# Altium PCB Nestling_2.1.PcbDoc
Units mm, origin at the board's own origin, x right, y up, seen from the top; angles counter-clockwise.
Board outline 45 x 75 mm, 2 copper layers (Top Layer, Bottom Layer); 54 components, 122 nets, 426 pads, 112 vias.
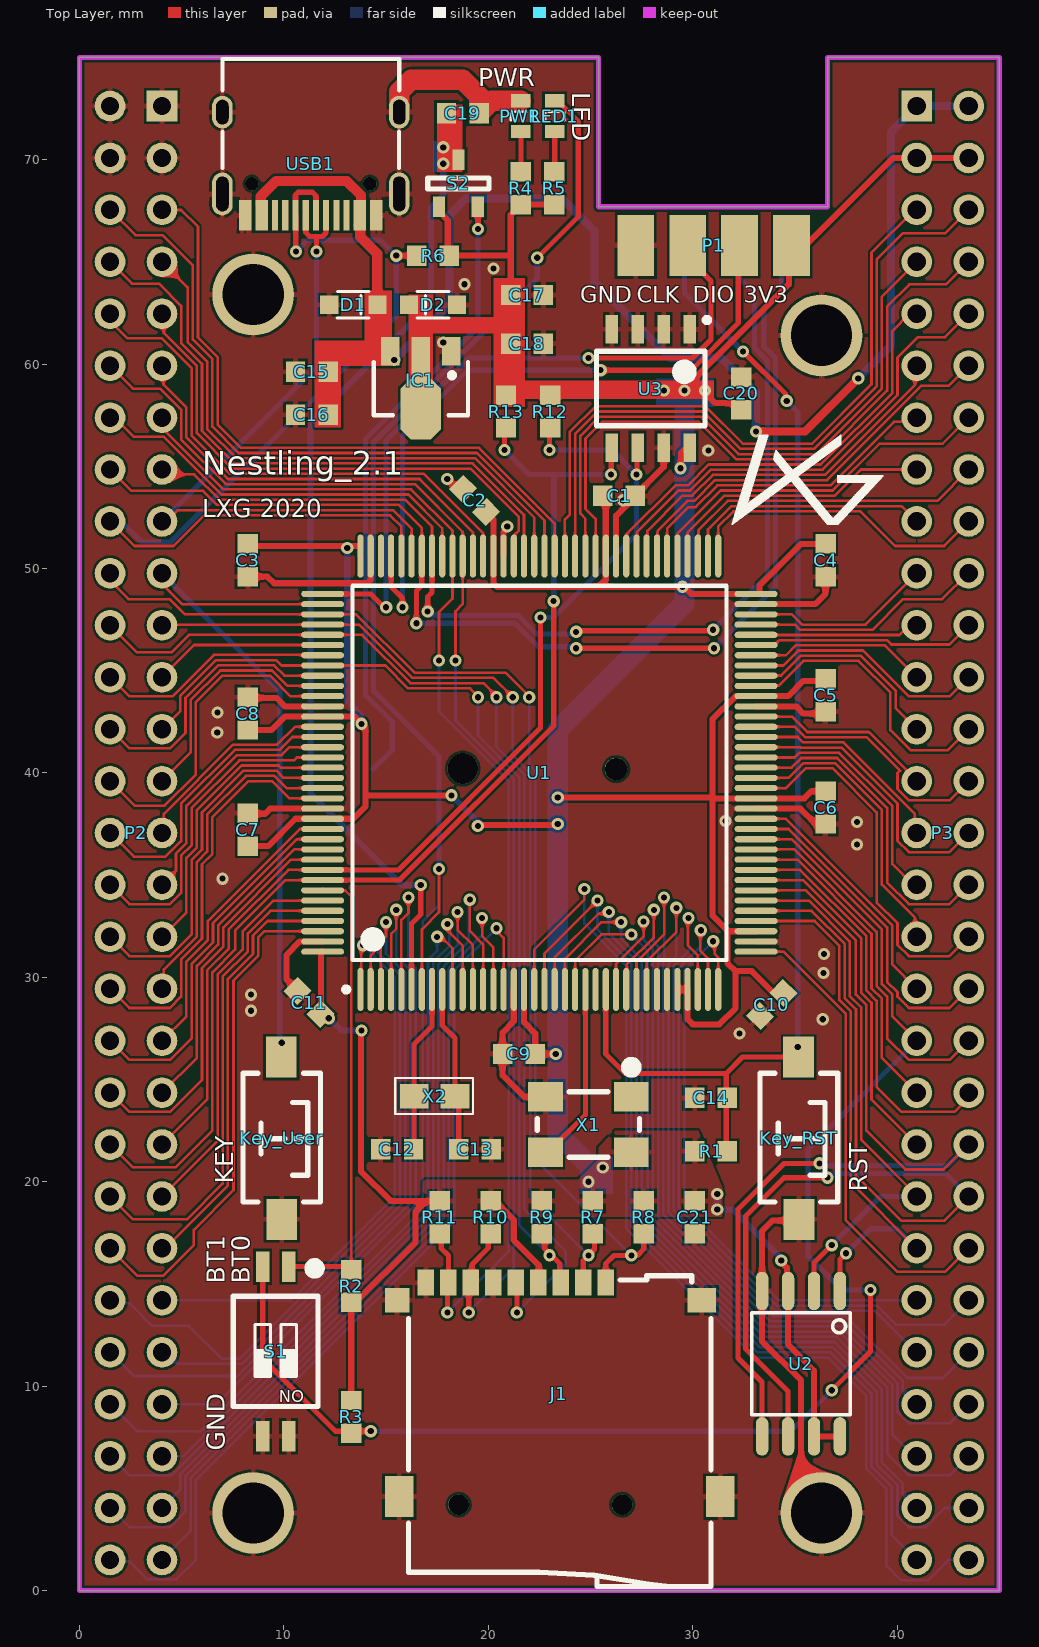
[diagram p0: Top Layer view]
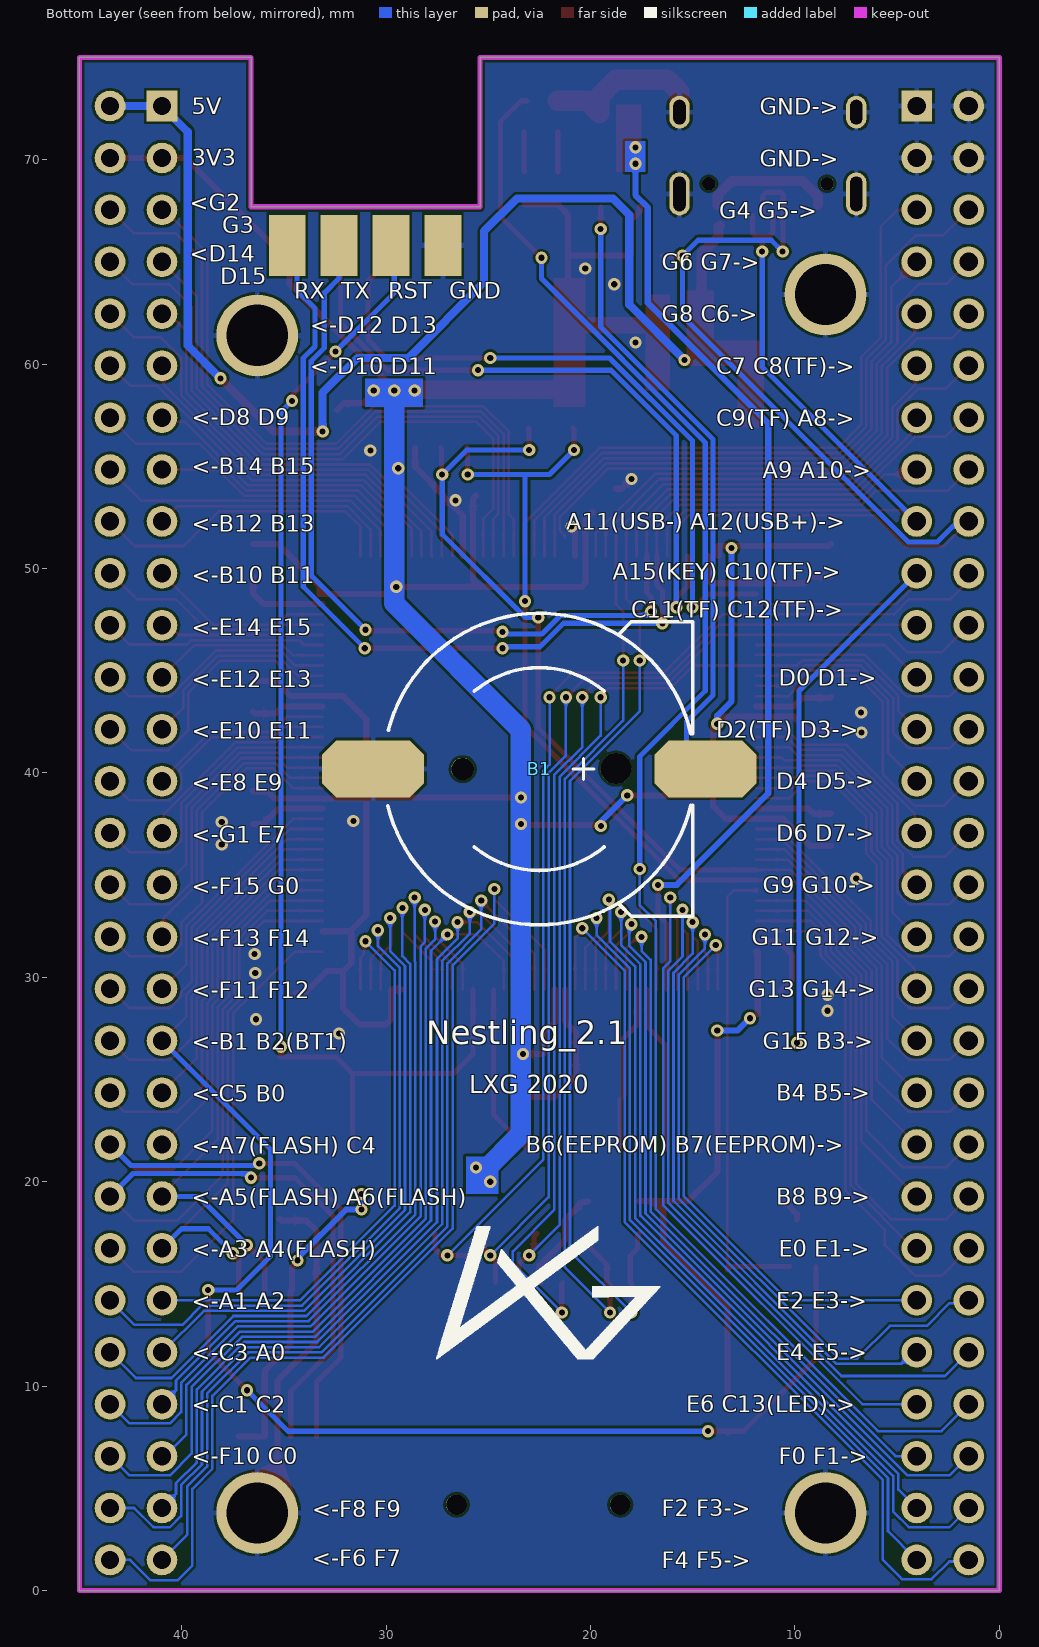
[diagram p1: Bottom Layer view, seen from below]
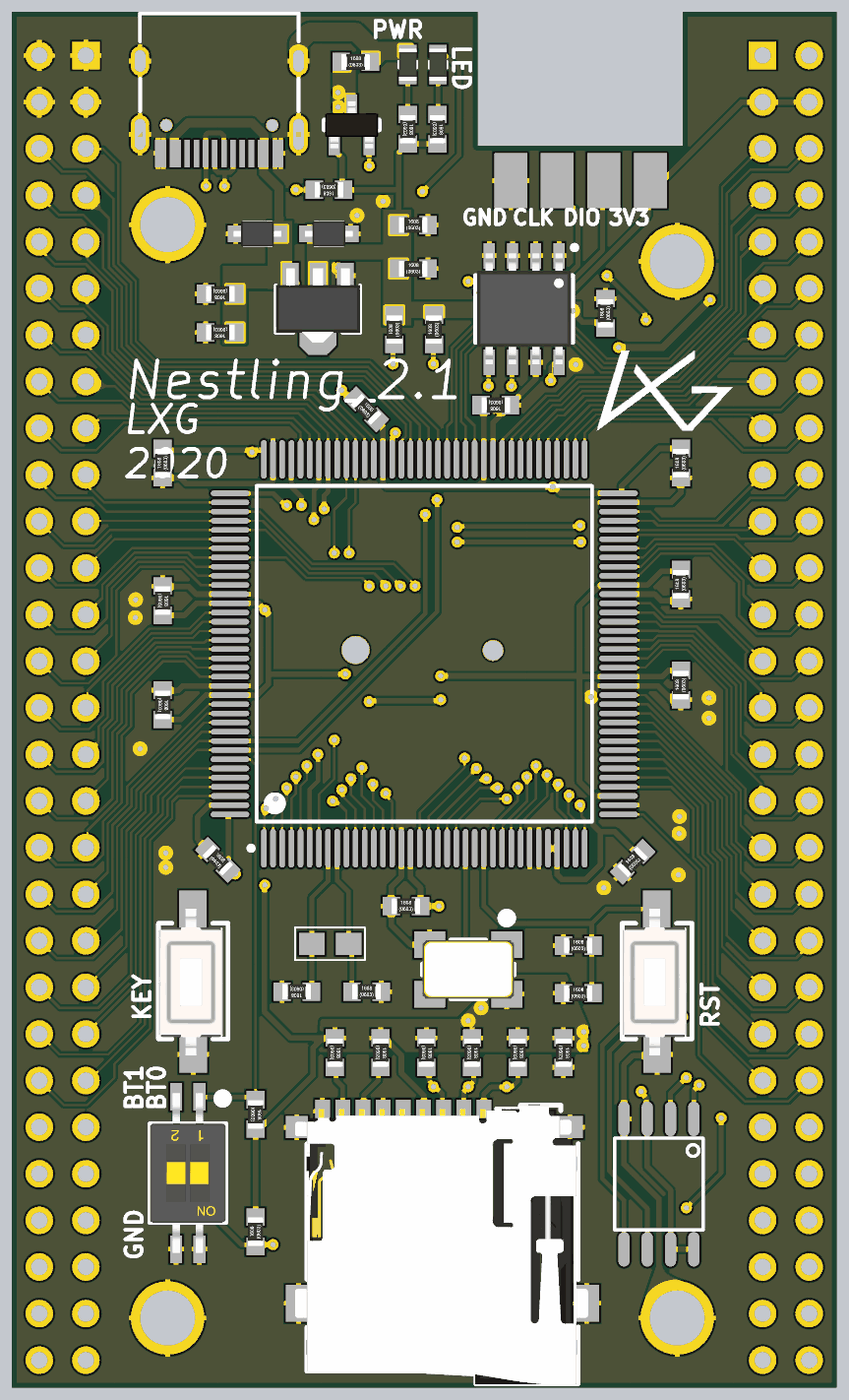
[diagram p2: 3D render of the assembled board from above, using the file's embedded part models]

## Layer stack, top to bottom
Top Solder: solder mask 0.0102, Solder Resist, Dk 3.5
Top Layer: signal copper 0.0356
Dielectric 1: dielectric 0.32, FR-4, Dk 4.8
Bottom Layer: signal copper 0.0356
Bottom Solder: solder mask 0.0102, Solder Resist, Dk 3.5

## Board outline
0,0 0,75 25.4,75 25.4,67.691 36.6,67.691 36.6,75 45,75 45,0

## Design rules (kind name [scope] priority, off if disabled: settings)
Clearance [All] p1: gap=0.127 ignorepadtopadclearanceinfootprint=FALSE except(0.254: Via-Hole)
HoleSize [All] p1: absolutevalues=TRUE maxlimit=5 minlimit=0.025 maxpercent=80.000 minpercent=20.000
HoleToHoleClearance [All] p1: gap=0.15 allowstackedmicrovias=TRUE
PlaneConnect [All] p1: pad.planeconnectstyle=Relief pad.reliefexpansion=0.508 pad.reliefentries=4 pad.reliefconductorwidth=0.254 pad.reliefairgap=0.254 via.planeconnectstyle=Direct via.reliefexpansion=0.508 via.reliefentries=4 via.reliefconductorwidth=0.254 via.reliefairgap=0.254
PolygonConnect [All] p1: thpad.connectstyle=Relief thpad.reliefconductorwidth=0.254 thpad.reliefentries=4 thpad.polygonreliefangle="90 Angle" thpad.airgapwidth=0.127 smdpad.connectstyle=Relief smdpad.reliefconductorwidth=0.254 smdpad.reliefentries=4 smdpad.polygonreliefangle="90 Angle" smdpad.airgapwidth=0.127 via.connectstyle=Direct via.reliefconductorwidth=0.254 via.reliefentries=4 via.polygonreliefangle="90 Angle" via.airgapwidth=0.254
RoutingVias [All] p1: holewidth=0.3 width=0.6 viastyle="Through Hole" minholewidth=0.3 minwidth=0.6 maxholewidth=0.711 maxwidth=1.27
SolderMaskExpansion [All] p1: expansion=0.102 istentingtop=FALSE
Width PWR [InNetClass('PWR')] p1: maxlimit=1 minlimit=0.127 preferedwidth=0.3
Width [All] p2: maxlimit=0.254 minlimit=0.127 preferedwidth=0.127
27 further rules are at their usual default settings.

## Classes and differential pairs
net class PWR: 3V3 5V GND VBAT
component class 主控系统板: C1 C2 C3 C4 C5 C6 C7 C8 C9 C10 C11 C12 C13 C14 Key_RST Key_User LED1 PWR R1 R2 R3 R4 R5 S1 U1 X1 X2
component class 主控系统板IO引出: P2 P3
component class 主控系统板2: B1 C15 C16 C17 C18 C19 C20 C21 D1 D2 IC1 J1 P1 R6 R7 R8 R9 R10 R11 R12 R13 S2 U2 U3 USB1

## Components (designator, comment, footprint, x,y, rotation, side; value= is the part's Value field where it differs from the comment)
B1 "Battery" CR1220 22.5,40.2 r180 bottom
C1 "0.1uF" 0603 26.4,53.56 r180 top
C2 "0.1uF" 0603 19.334,53.333 r315 top
C3 "0.1uF" 0603 8.23,50.4 r90 top
C4 "0.1uF" 0603 36.5,50.4 r90 top
C5 "0.1uF" 0603 36.5,43.8 r90 top
C6 "0.1uF" 0603 36.5,38.3 r90 top
C7 "0.1uF" 0603 8.23,37.22 r270 top
C8 "0.1uF" 0603 8.23,42.9 r270 top
C9 "0.1uF" 0603 21.5,26.25 r0 top
C10 "0.1uF" 0603 33.866,28.666 r45 top
C11 "0.1uF" 0603 11.234,28.766 r315 top
C12 "10pF" 0603 15.543,21.585 r180 top
C13 "10pF" 0603 19.353,21.585 r0 top
C14 "0.1uF" 0603 30.9,24.1 r0 top
C15 "0.1uF" 0603 11.37,59.624 r180 top
C16 "10uF" 0603 11.37,57.524 r180 top
C17 "0.1uF" 0603 21.9,63.376 r0 top
C18 "10uF" 0603 21.9,61 r0 top
C19 "0.1uF" 0603 18.758,72.271 r0 top
C20 "0.1uF" 0603 32.385,58.563 r90 top
C21 "0.1uF" 0603 30.1,18.263 r270 top
D1 "CESD5V0D3/丝印ZA" SOD323 13.4,62.9 r0 top
D2 "CESD5V0D3/丝印ZA" SOD323 17.3,62.9 r180 top
IC1 "CJA1117" SOT89 16.7,58.435 r180 top
J1 "MICRO SD CARD CONNECTOR" "MICRO SD CARD CONNECTOR" 23.5,0.2 r0 top
Key_RST "KEY-2P" "TSW SMD-3*6*2.5" 35.2,22.1 r270 top
Key_User "KEY-2P" "TSW SMD-3*6*2.5" 9.9,22.1 r270 top
LED1 "LED" D0603 23.25,71.374 r90 top
P1 "SWD & USART" 2X4P-2.5MM-SMD 34.836,65.8 r180 top
P2 "Header 29X2" HDR2X29#1 4.04,72.62 r270 top locked
P3 "Header 29X2" HDR2X29#2 40.96,72.62 r270 top locked
PWR "LED" D0603 21.6,71.374 r90 top
R1 "10K" 0603 30.9,21.5 r0 top
R2 "10K" 0603 13.3,14.9 r270 top
R3 "10K" 0603 13.3,8.5 r90 top
R4 "2K" 0603 21.6,68.6 r270 top
R5 "300R" 0603 23.225,68.6 r270 top
R6 "1.5K" 0603 17.3,65.3 r180 top
R7 "10K" 0603 25.11,18.263 r270 top
R8 "10K" 0603 27.605,18.263 r270 top
R9 "10K" 0603 22.616,18.263 r270 top
R10 "10K" 0603 20.121,18.263 r270 top
R11 "10K" 0603 17.626,18.263 r270 top
R12 "4.7K" 0603 23.028,57.676 r90 top
R13 "4.7K" 0603 20.869,57.676 r90 top
S1 "SW-2" "CSW1.27 SMD-2P" 9.6,11.7 r180 top
S2 "BAT54C_KL3" SOT-23 18.542,68.834 r0 top
U1 "STM32F103ZE_ZGT6" TQFP144_N 22.5,40.005 r90 top locked
U2 "W25Q64" SO8WB 35.3,11.1 r180 top
U3 "AT24C04" SO-8 27.947,58.801 r270 top
USB1 "Type-C" Type-C 11.32,69.8 r90 top locked
X1 "XTAL-4_8MHz" XTAL-5.0X3.2 24.9,22.8 r270 top
X2 "XTAL_32.768KHZ_3215" 3215 18.372,24.193 r180 top value=32.768KHz

## Footprints (in the part's own frame and the unit in brackets; to place one, negate y for a bottom-side part, rotate by r counter-clockwise, add the part's x,y. Pads: shape width x height; smd on the part's side, far side on the other; paste and mask are expansions set on the pad)
2X4P-2.5MM-SMD [mm]
  rect 1.8x3 smd: 1(0,0) 2(2.54,0) 3(5.08,0) 4(7.62,0)
  rect 1.8x3 smd far side: 5(0,0) 6(2.54,0) 7(5.08,0) 8(7.62,0)
0603 [mm] "SMD, 0603"
  rect 0.95x1 smd: 1(-0.8,0) 2(0.8,0)
  body extent -0.77,-0.42 0.78,0.43, height 0.45
3215 [mm]
  rect 1.4x1.2 smd: 1(0,0) 2(2,0)
  silkscreen extent -0.89,-0.89 2.92,0.89
CR1220 [mm]
  round 1.1 hole 1.1: 0(-3.754,-0.012)
  round 1.5 hole 1.5: 0(3.746,0.012)
  oct 5x2.8 smd: 1(8.132,-0.01) 2(-8.132,-0.01)
  silkscreen extent -7.41,-7.63 7.5,7.61
"CSW1.27 SMD-2P" [mm] "长：4.14mm，宽：5.4mm，高：2.3mm"
  rect 0.65x1.5 smd: 1(-0.635,-4.15) 2(0.635,-4.15) 3(0.635,4.15) 4(-0.635,4.15)
  silkscreen extent -2.15,-4.31 2.07,2.7, body extent -2.07,-4.35 2.07,4.35, height 2.35
D0603 [mm]
  rect 0.65x0.95 smd: 1(0,0) 2(1.5,0)
  silkscreen extent 0.57,-0.48 0.97,0.48, body extent -0.12,-0.48 1.63,0.48, height 0.35
HDR2X29#1 [mm]
  rect 1.5x1.5 hole 0.9: 1(0,0)
  round 1.5 hole 0.9: 2(0,-2.54) 3(2.54,0) 4(2.54,-2.54) 5(5.08,0) 6(5.08,-2.54) 7(7.62,0) 8(7.62,-2.54) 9(10.16,0) 10(10.16,-2.54) 11(12.7,0) 12(12.7,-2.54) 13(15.24,0) 14(15.24,-2.54) 15(17.78,0) 16(17.78,-2.54) 17(20.32,0) 18(20.32,-2.54) 19(22.86,0) 20(22.86,-2.54) 21(25.4,0) 22(25.4,-2.54) 23(27.94,0) 24(27.94,-2.54) 25(30.48,0) 26(30.48,-2.54) 27(33.02,0) 28(33.02,-2.54) 29(35.56,0) 30(35.56,-2.54) 31(38.1,0) 32(38.1,-2.54) 33(40.64,0) 34(40.64,-2.54) 35(43.18,0) 36(43.18,-2.54) 37(45.72,0) 38(45.72,-2.54) 39(48.26,0) 40(48.26,-2.54) 41(50.8,0) 42(50.8,-2.54) 43(53.34,0) 44(53.34,-2.54) 45(55.88,0) 46(55.88,-2.54) 47(58.42,0) 48(58.42,-2.54) 49(60.96,0) 50(60.96,-2.54) 51(63.5,0) 52(63.5,-2.54) 53(66.04,0) 54(66.04,-2.54) 55(68.58,0) 56(68.58,-2.54) 57(71.12,0) 58(71.12,-2.54)
HDR2X29#2 [mm]
  rect 1.5x1.5 hole 0.9: 1(0,0)
  round 1.5 hole 0.9: 2(0,2.54) 3(2.54,0) 4(2.54,2.54) 5(5.08,0) 6(5.08,2.54) 7(7.62,0) 8(7.62,2.54) 9(10.16,0) 10(10.16,2.54) 11(12.7,0) 12(12.7,2.54) 13(15.24,0) 14(15.24,2.54) 15(17.78,0) 16(17.78,2.54) 17(20.32,0) 18(20.32,2.54) 19(22.86,0) 20(22.86,2.54) 21(25.4,0) 22(25.4,2.54) 23(27.94,0) 24(27.94,2.54) 25(30.48,0) 26(30.48,2.54) 27(33.02,0) 28(33.02,2.54) 29(35.56,0) 30(35.56,2.54) 31(38.1,0) 32(38.1,2.54) 33(40.64,0) 34(40.64,2.54) 35(43.18,0) 36(43.18,2.54) 37(45.72,0) 38(45.72,2.54) 39(48.26,0) 40(48.26,2.54) 41(50.8,0) 42(50.8,2.54) 43(53.34,0) 44(53.34,2.54) 45(55.88,0) 46(55.88,2.54) 47(58.42,0) 48(58.42,2.54) 49(60.96,0) 50(60.96,2.54) 51(63.5,0) 52(63.5,2.54) 53(66.04,0) 54(66.04,2.54) 55(68.58,0) 56(68.58,2.54) 57(71.12,0) 58(71.12,2.54)
"MICRO SD CARD CONNECTOR" [mm] "Micro SD Card Connector"
  round 1 hole 1 unplated: 0(-4.95,4) 0(3.05,4)
  rect 0.8x1.27 smd: 1(2.25,14.865) 2(1.15,14.865) 3(0.05,14.865) 4(-1.05,14.865) 5(-2.15,14.865) 6(-3.25,14.865) 7(-4.35,14.865) 8(-5.45,14.865) 9(-6.55,14.865)
  rect 1.2x1.2 smd: 10(-7.95,14)
  rect 1.4x1.2 smd: 11(6.95,14)
  rect 1.4x2 smd: 12(-7.85,4.4) 13(7.85,4.4)
  silkscreen extent -7.4,0 7.4,15.2, body extent -8.05,0 7.95,15.25, height 1.92
SO8WB [mil]
  oval 24x74 smd: 1(-75,-140) 2(-25,-140) 3(25,-140) 4(75,-140) 5(75,140) 6(25,140) 7(-25,140) 8(-75,140)
  silkscreen extent -95,-98 95,98
SO-8 [mm] "SOIC, 8PIN"
  rect 1.4x0.6 smd: 1(-2.9,1.905) 2(-2.9,0.635) 3(-2.9,-0.635) 4(-2.9,-1.905) 5(2.9,-1.905) 6(2.9,-0.635) 7(2.9,0.635) 8(2.9,1.905)
  silkscreen extent -3.48,-2.65 1.82,2.88, body extent -3.03,-2.57 3.03,2.57, height 1.95
SOD323 [mil] "SODFL, 2-Leads, Body 1.30x2.60mm, IPC Medium Density"
  rect 35x35 smd: 1(-46.26,0) 2(46.26,0)
  silkscreen extent -31,-26 30,26, body extent -51,-28 51,28, height 39
SOT89 [mm] "SOT89, 3-Leads, Body 4.50x2.45mm, Pitch 1.50mm, Lead Span 4.1mm, IPC Medium Density"
  rect 0.9x1.4 smd: 1(-1.5,-2.181) 3(1.5,-2.181)
  oct 2x3 smd: 2(0,0.635)
  rect 0.9x3 smd: 2(0,-1.381)
  silkscreen extent -2.3,-1.66 2.3,0.94, body extent -2.3,-2.58 2.3,1.47, height 1.6
SOT-23 [mm] "SOT-23-3"
  rect 0.6x1 smd: 1(-0.95,-1.15) 2(0.95,-1.15) 3(0,1.15)
  silkscreen extent -1.5,-0.27 1.5,0.27, body extent -1.46,-1.28 1.46,1.27, height 0.99
TQFP144_N [mm] "TTM32V103ZET6"
  oval 2.1x0.3 smd: 1(-10.6,8.75) 2(-10.6,8.25) 3(-10.6,7.75) 4(-10.6,7.25) 5(-10.6,6.75) 6(-10.6,6.25) 7(-10.6,5.75) 8(-10.6,5.25) 9(-10.6,4.75) 10(-10.6,4.25) 11(-10.6,3.75) 12(-10.6,3.25) 13(-10.6,2.75) 14(-10.6,2.25) 15(-10.6,1.75) 16(-10.6,1.25) 17(-10.6,0.75) 18(-10.6,0.25) 19(-10.6,-0.25) 20(-10.6,-0.75) 21(-10.6,-1.25) 22(-10.6,-1.75) 23(-10.6,-2.25) 24(-10.6,-2.75) 25(-10.6,-3.25) 26(-10.6,-3.75) 27(-10.6,-4.25) 28(-10.6,-4.75) 29(-10.6,-5.25) 30(-10.6,-5.75) 31(-10.6,-6.25) 32(-10.6,-6.75) 33(-10.6,-7.25) 34(-10.6,-7.75) 35(-10.6,-8.25) 36(-10.6,-8.75) 73(10.6,-8.75) 74(10.6,-8.25) 75(10.6,-7.75) 76(10.6,-7.25) 77(10.6,-6.75) 78(10.6,-6.25) 79(10.6,-5.75) 80(10.6,-5.25) 81(10.6,-4.75) 82(10.6,-4.25) 83(10.6,-3.75) 84(10.6,-3.25) 85(10.6,-2.75) 86(10.6,-2.25) 87(10.6,-1.75) 88(10.6,-1.25) 89(10.6,-0.75) 90(10.6,-0.25) 91(10.6,0.25) 92(10.6,0.75) 93(10.6,1.25) 94(10.6,1.75) 95(10.6,2.25) 96(10.6,2.75) 97(10.6,3.25) 98(10.6,3.75) 99(10.6,4.25) 100(10.6,4.75) 101(10.6,5.25) 102(10.6,5.75) 103(10.6,6.25) 104(10.6,6.75) 105(10.6,7.25) 106(10.6,7.75) 107(10.6,8.25) 108(10.6,8.75)
  oval 0.3x2.1 smd: 37(-8.75,-10.6) 38(-8.25,-10.6) 39(-7.75,-10.6) 40(-7.25,-10.6) 41(-6.75,-10.6) 42(-6.25,-10.6) 43(-5.75,-10.6) 44(-5.25,-10.6) 45(-4.75,-10.6) 46(-4.25,-10.6) 47(-3.75,-10.6) 48(-3.25,-10.6) 49(-2.75,-10.6) 50(-2.25,-10.6) 51(-1.75,-10.6) 52(-1.25,-10.6) 53(-0.75,-10.6) 54(-0.25,-10.6) 55(0.25,-10.6) 56(0.75,-10.6) 57(1.25,-10.6) 58(1.75,-10.6) 59(2.25,-10.6) 60(2.75,-10.6) 61(3.25,-10.6) 62(3.75,-10.6) 63(4.25,-10.6) 64(4.75,-10.6) 65(5.25,-10.6) 66(5.75,-10.6) 67(6.25,-10.6) 68(6.75,-10.6) 69(7.25,-10.6) 70(7.75,-10.6) 71(8.25,-10.6) 72(8.75,-10.6) 109(8.75,10.6) 110(8.25,10.6) 111(7.75,10.6) 112(7.25,10.6) 113(6.75,10.6) 114(6.25,10.6) 115(5.75,10.6) 116(5.25,10.6) 117(4.75,10.6) 118(4.25,10.6) 119(3.75,10.6) 120(3.25,10.6) 121(2.75,10.6) 122(2.25,10.6) 123(1.75,10.6) 124(1.25,10.6) 125(0.75,10.6) 126(0.25,10.6) 127(-0.25,10.6) 128(-0.75,10.6) 129(-1.25,10.6) 130(-1.75,10.6) 131(-2.25,10.6) 132(-2.75,10.6) 133(-3.25,10.6) 134(-3.75,10.6) 135(-4.25,10.6) 136(-4.75,10.6) 137(-5.25,10.6) 138(-5.75,10.6) 139(-6.25,10.6) 140(-6.75,10.6) 141(-7.25,10.6) 142(-7.75,10.6) 143(-8.25,10.6) 144(-8.75,10.6)
  silkscreen extent -10.72,-9.15 9.15,9.57, body extent -10,-10 10,10, height 1.6
"TSW SMD-3*6*2.5" [mm] "3*6*2.5mm"
  rect 2x1.5 smd: 1(-3.996,-0.02) 2(3.937,0)
  silkscreen extent -3.21,-1.9 3.09,1.9, body extent -4,-1.88 4,1.62, height 2.59
Type-C [mm]
  round 0.65 hole 0.65: 0(-0.98,2.89) 0(-0.98,-2.89)
  oval 1.6x1 hole 0.6 slot 1.2 at 0 deg: 1(2.52,4.325) 2(2.52,-4.325)
  oval 2.1x1 hole 0.6 slot 1.7 at 0 deg: 3(-1.48,-4.325) 4(-1.48,4.325)
  rect 1.5x0.3 smd: A1(-2.52,-3.35) A4(-2.52,-2.55) A5(-2.52,-1.25) A6(-2.52,-0.25) A7(-2.52,0.25) A8(-2.52,1.25) A9(-2.52,2.55) A12(-2.52,3.35) B1(-2.52,3.05) B4(-2.52,2.25) B5(-2.52,1.75) B6(-2.52,0.75) B7(-2.52,-0.75) B8(-2.52,-1.75) B9(-2.52,-2.25) B12(-2.52,-3.05)
  silkscreen extent -0.22,-4.33 5.12,4.33
XTAL-5.0X3.2 [mm] "Oscillator"
  rect 1.45x1.7 smd: 1(-1.35,2.1) 2(-1.35,-2.1) 3(1.35,-2.1) 4(1.35,2.1)
  silkscreen extent -3.05,-2.5 1.6,2.5, body extent -1.6,-2.5 1.6,2.5, height 1

## Part data
C1 C2 C3 C4 C5 C6 C7 C8 C9 C10 C11 C12 C13 C14 C15 C16 C17 C18 C19 C20 C21: library part CAP, "Capacitor"
D1 D2: library part TVS
J1: "Micro SD Card Connector"
Key_RST Key_User: "Key"
P1: library part CON4-X2
R1 R2 R3 R4 R5 R6 R7 R8 R9 R10 R11 R12 R13: library part RES, "Resistor"
U3: library part AT24Cxx, "EEPROM"
X1: library part XTAL-4, "Oscillator"
X2: "CRYSTAL", PCB DECAL=3215
U2: PCB DECAL=SO8WB

## Free pads (board coordinates)
  round 4 hole 3: 3(8.5,3.8) 3(8.5,63.4) 3(36.3,3.8) 3(36.3,61.4)

## Via types
v1: diameter 0.6, hole 0.3, Top Layer to Bottom Layer, 112 vias

## Nets (pads, with @x,y where several pads share a name; then routed paths per layer and width w, separated by ;. In a path a pad name is that pad's centre, name@x,y a point inside that pad or via, vN(x,y) a via of type N, cw(c..) or ccw(c..) an arc to the next point about the centre after c; other vN are vias at no path point)
3V3: C1.2 C2.2 C3.2 C4.2 C5.2 C6.2 C7.2 C8.2 C9.2 C10.2 C11.2 C17.1 C18.1 C20.1 C21.1 D2.2 IC1.2 J1.4 P1.1 P3.3 P3.4 R1.1 R2.2 R3.2 R4.2 R5.2 R6.1 R7.1 R8.1 R9.1 R10.1 R11.1 R12.2 R13.2 S2.1 U1.17 U1.32 U1.33 U1.39 U1.52 U1.62 U1.72 U1.84 U1.95 U1.108 U1.121 U1.131 U1.144 U2.3 U2.7 U2.8 U3.8 X1.4 | length 252
  Top Layer w0.127: U3.8@29.653,55.901 U3.8
  Top Layer w0.254: v1(29.4,54.9) 29.4,55.648 U3.8@29.653,55.901
  Top Layer w0.3: C7.2 9.237,36.42 10.572,37.755 U1.131 13.389,37.755 14,38.366 14,38.9 ; C8.2 9.4,42.1 10.055,42.755 U1.121 13.479,42.755 14,42.234 14,38.9 ; C3.2 8.33,51.1 13.75,51.1 U1.108 ; C11.2 11.818,28.218 11.818,31.255 U1.144 ; R3.2 13.3,13.9 16.442,17.042 16.442,18.542 16.963,19.063 ; v1(13.8,27.4) 13.783,27.383 13.783,20.5 15.22,19.063 16.963,19.063 ; S2.1 17.592,67.461 18.022,67.031 18.022,65.378 R6.1 21.1,65.3 ; R11.1 16.963,19.063 ; v1(18.2,38.9) 14,38.9 ; v1(19.492,37.4) 19.542,37.45 23.35,37.45 v1(23.4,37.5) ; C2.2 19.882,52.749 20.25,52.382 U1.95 20.25,49.276 20.426,49.1 25.405,49.1 ; R10.1 20.171,19.013 20.37,19.013 21.25,18.132 21.25,17.15 22.479,15.921 22.479,15.094 J1.4 ; C18.1 21.1,58.707 R13.2 R12.2 29.286,58.476 30.005,59.195 ; C17.1 21.1,65.3 ; U1.17 21.75,27.8 22.3,27.25 C9.2 v1(23.3,26.25) ; R5.2 R4.2 21.575,67.8 21.25,67.475 21.25,67.45 21.1,67.3 21.1,65.3 ; v1(23.4,38.8) 30.921,38.8 30.966,38.755 ; C1.2 25.75,53.41 U1.84 25.75,49.445 25.405,49.1 ; U1.32 U1.33 29.75,27.95 30,27.7 31.3,27.7 32.096,28.496 32.096,30.304 ; 31.7,32.3 30.966,33.034 30.966,38.755 ; C20.1 32.06,58.088 31.112,58.088 30.005,59.195 ; U1.39 31.827,32.255 31.7,32.128 31.7,30.7 32.096,30.304 ; v1(34.335,16.15) 34.335,16.069 34.606,15.798 34.606,14.715 U2.3 34.665,12.035 35.935,10.765 U2.7 U2.8 ; C10.2 33.972,29.231 32.899,30.304 32.096,30.304 ; C6.2 35.807,39.1 35.462,38.755 U1.52 30.966,38.755 ; C5.2 36.4,44.5 35.417,44.5 34.672,43.755 U1.62 32.096,43.755 30.966,42.625 30.966,38.755 ; C4.2 35.3,51.2 33.263,49.163 33.263,48.755 U1.72 29.929,48.755 29.584,49.1 v1(29.503,49.1) 25.405,49.1 ; P3.4 P3.3 39.812,70.08 34.71,64.978 34.71,63.9 30.005,59.195
  Bottom Layer w0.3: v1(12.2,28) 12.8,27.4 v1(13.8,27.4) ; v1(13.1,51) 13.1,43.5 13.8,42.8 v1(13.8,42.4) ; v1(18.2,38.9) 19.492,37.608 v1(19.492,37.4) ; v1(31.2,19.4) v1(31.2,18.642) 31.958,18.642 34.335,16.265 v1(34.335,16.15)
  Bottom Layer w1: 25.345,20.4 23.4,22.345 v1(23.4,37.5) v1(23.4,38.8) 23.4,42.1 29.6,48.3 v1(29.6,58.7)
  other v1: 24.9,20 25.6,20.7 28.6,58.7 30.6,58.7
5V: C15.1 C16.1 D1.2 IC1.3 P3.1 P3.2 USB1.A4 USB1.A9 USB1.B4 USB1.B9 | length 64.6
  Top Layer w0.4: v1(33.1,56.7) 35.5,56.7 v1(38.1,59.3)
  Top Layer w0.5: USB1.A9@8.87,67.78 8.87,68.202 9.07,68.402 9.07,68.407 9.613,68.95 13.087,68.95 13.77,68.267 USB1.A4@13.77,67.78 ; USB1.B9@13.67,66.78 13.735,66.715 13.735,66.235 14.575,65.395 D1.2
  Bottom Layer w0.4: v1(15.4,60.2) 18.1,62.9 18.1,67.3 18.9,68.1 23.6,68.1 25.2,66.5 25.2,64.004 28.904,60.3 31.4,60.3 33.1,58.6 v1(33.1,56.7) ; v1(38.1,59.3) 39.7,60.9 39.7,71.36 P3.1 P3.2
BOOT0: R2.1 S1.1 U1.138 | length 22.9
  Top Layer w0.127: S1.1 S1.1@10.237,15.848 ; U1.138@11.909,34.246 13.005,34.246 13.3,33.951 R2.1
  Top Layer w0.254: S1.1 13.15,15.85 R2.1 ; U1.138 U1.138@11.909,34.246
BOOT1: P3.37 R3.1 S1.2 U1.48 | length 71.1
  Top Layer w0.127: U1.48 34.836,36.755 39.257,32.333 39.257,29.675 39.765,29.167 39.765,28.095 P3.37
  Top Layer w0.254: S1.2 8.965,11.357 12.522,7.8 R3.1@13.4,7.8 ; R3.1 R3.1@13.4,7.8 ; v1(14.25,7.8) R3.1@13.4,7.8 ; v1(36.8,9.8) 38.7,11.7 v1(38.7,14.7)
  Bottom Layer w0.254: v1(14.25,7.8) 34.8,7.8 v1(36.8,9.8) ; v1(38.7,14.7) 37.3,14.7 35.646,16.354 35.646,21.586 P3.37
GND: B1.2 C1.1 C2.1 C3.1 C4.1 C5.1 C6.1 C7.1 C8.1 C9.1 C10.1 C11.1 C12.2 C13.2 C14.1 C15.2 C16.2 C17.2 C18.2 C19.2 C20.2 C21.2 D1.1 D2.1 IC1.1 J1.6 J1.9 J1.10 J1.11 J1.12 J1.13 Key_RST.2 Key_User.2 P1.4 P1.8 P2.1 P2.2 P2.3 P2.4 pad.3 PWR.2 S1.3 S1.4 U1.16 U1.30 U1.31 U1.38 U1.51 U1.61 U1.71 U1.83 U1.94 U1.107 U1.120 U1.130 U1.143 U2.4 U3.1 U3.2 U3.3 U3.4 U3.7 USB1.1 USB1.2 USB1.3 USB1.4 USB1.A1 USB1.A12 USB1.B1 USB1.B12 X1.2 | length 73
  Top Layer w0.3: C7.1 8.25,38.001 9.08,38.001 9.335,38.255 U1.130 ; C8.1 8.261,43.669 9.642,43.669 10.056,43.255 U1.120 ; C3.1 9.2,49.6 9.522,49.278 14.074,49.278 14.25,49.454 U1.107 ; Key_User.2 9.9,18.413 Key_User.2@10.5,19.013 ; C11.1 10.686,29.349 10.136,29.899 10.136,31.1 10.791,31.755 U1.143 ; C12.2@14.668,21.51 C12.2 ; v1(17.994,54.378) 18.474,53.898 C2.1 ; U1.94 20.75,51.789 20.929,51.969 v1(20.929,52.05) ; U1.16 21.25,27.85 20.7,27.3 C9.1 20.7,25.2 21.75,24.15 X1.2 ; U1.83 26.25,52.585 27.2,53.535 C1.1 27.2,53.585 28.582,54.967 U3.7 ; U1.51 35.262,38.255 36.017,37.5 C6.1 ; U1.61 35.062,43.255 35.417,42.9 36.4,42.9 C5.1 ; U1.71 35.987,48.255 36.5,48.768 C4.1 ; Key_RST.2 35.137,18.1 33.9,18.1 33.395,17.595 U2.4 33.395,12.185 35.3,10.28 35.3,4.022 pad.3@35.522,3.8
  Top Layer w1: USB1.2 15.645,73.314 16.231,73.9 18.756,73.9 19.558,73.098 C19.2 20.161,72.874 PWR.2
  other v1: 32.296,27.25 36.365,27.95 8.4,28.362 8.4,29.152 36.4,30.206 36.427,31.138 7,34.828 38.034,36.5 38.034,37.6 31.6,37.647 6.741,41.981 6.759,42.955 26.598,53.332 30.767,55.774 17.8,61.051 18.835,63.9 20.254,64.673
"I2C1 SCL PB6": P2.41 R12.1 U1.136 U3.6 | length 53.1
  Top Layer w0.127: P2.41 6.251,24.031 6.251,30.346 7.3,31.395 7.3,32.334 10.221,35.255 U1.136
  Top Layer w0.254: U1.136 15.605,35.255 22.554,42.204 v1(22.554,47.6) ; v1(23,55.8) 23,56.848 R12.1 ; v1(27.254,54.6) 27.283,54.629 27.283,55.872 U3.6
  Bottom Layer w0.254: v1(22.554,47.6) 23.183,47.6 27.254,51.671 v1(27.254,54.6) 26.054,55.8 v1(23,55.8)
"I2C1 SDA PB7": P2.42 R13.1 U1.137 U3.5 | length 56.6
  Top Layer w0.127: P2.42 2.62,20.7 4.7,20.7 6.505,22.505 6.505,30.241 7.615,31.351 7.615,32.289 10.081,34.755 U1.137
  Top Layer w0.254: U1.137 15.655,34.755 23.2,42.3 v1(23.2,48.4) ; v1(20.8,55.8) 20.8,56.807 R13.1 ; v1(26,54.6) 26.021,54.621 26.021,55.88 U3.5
  Bottom Layer w0.254: v1(20.8,55.8) 22,54.6 23.2,54.6 ; v1(23.2,48.4) 23.2,54.6 ; v1(26,54.6) 23.2,54.6
"KEY PA15": Key_User.1 P2.19 U1.110 | length 34.2
  Top Layer w0.127: P2.19 4.04,49.241 5.025,48.255 U1.110
  Top Layer w0.254: U1.110@11.891,48.264 U1.110